# Altium PCB GameBoard_V1I1.PcbDoc (part 5 of 22)
Units mil, origin at the board's own origin, x right, y up, seen from the top; angles counter-clockwise.
Board outline 7165.35 x 2814.96 mil, 12 copper layers (L1, L2, L3, L4, L5 (PWR), L6 (PWR), L7 (PWR), L8 (PWR), L9, L10, L11, L12), stack 61.575 mil thick; 1551 components, 1072 nets, 5467 pads, 3785 vias.
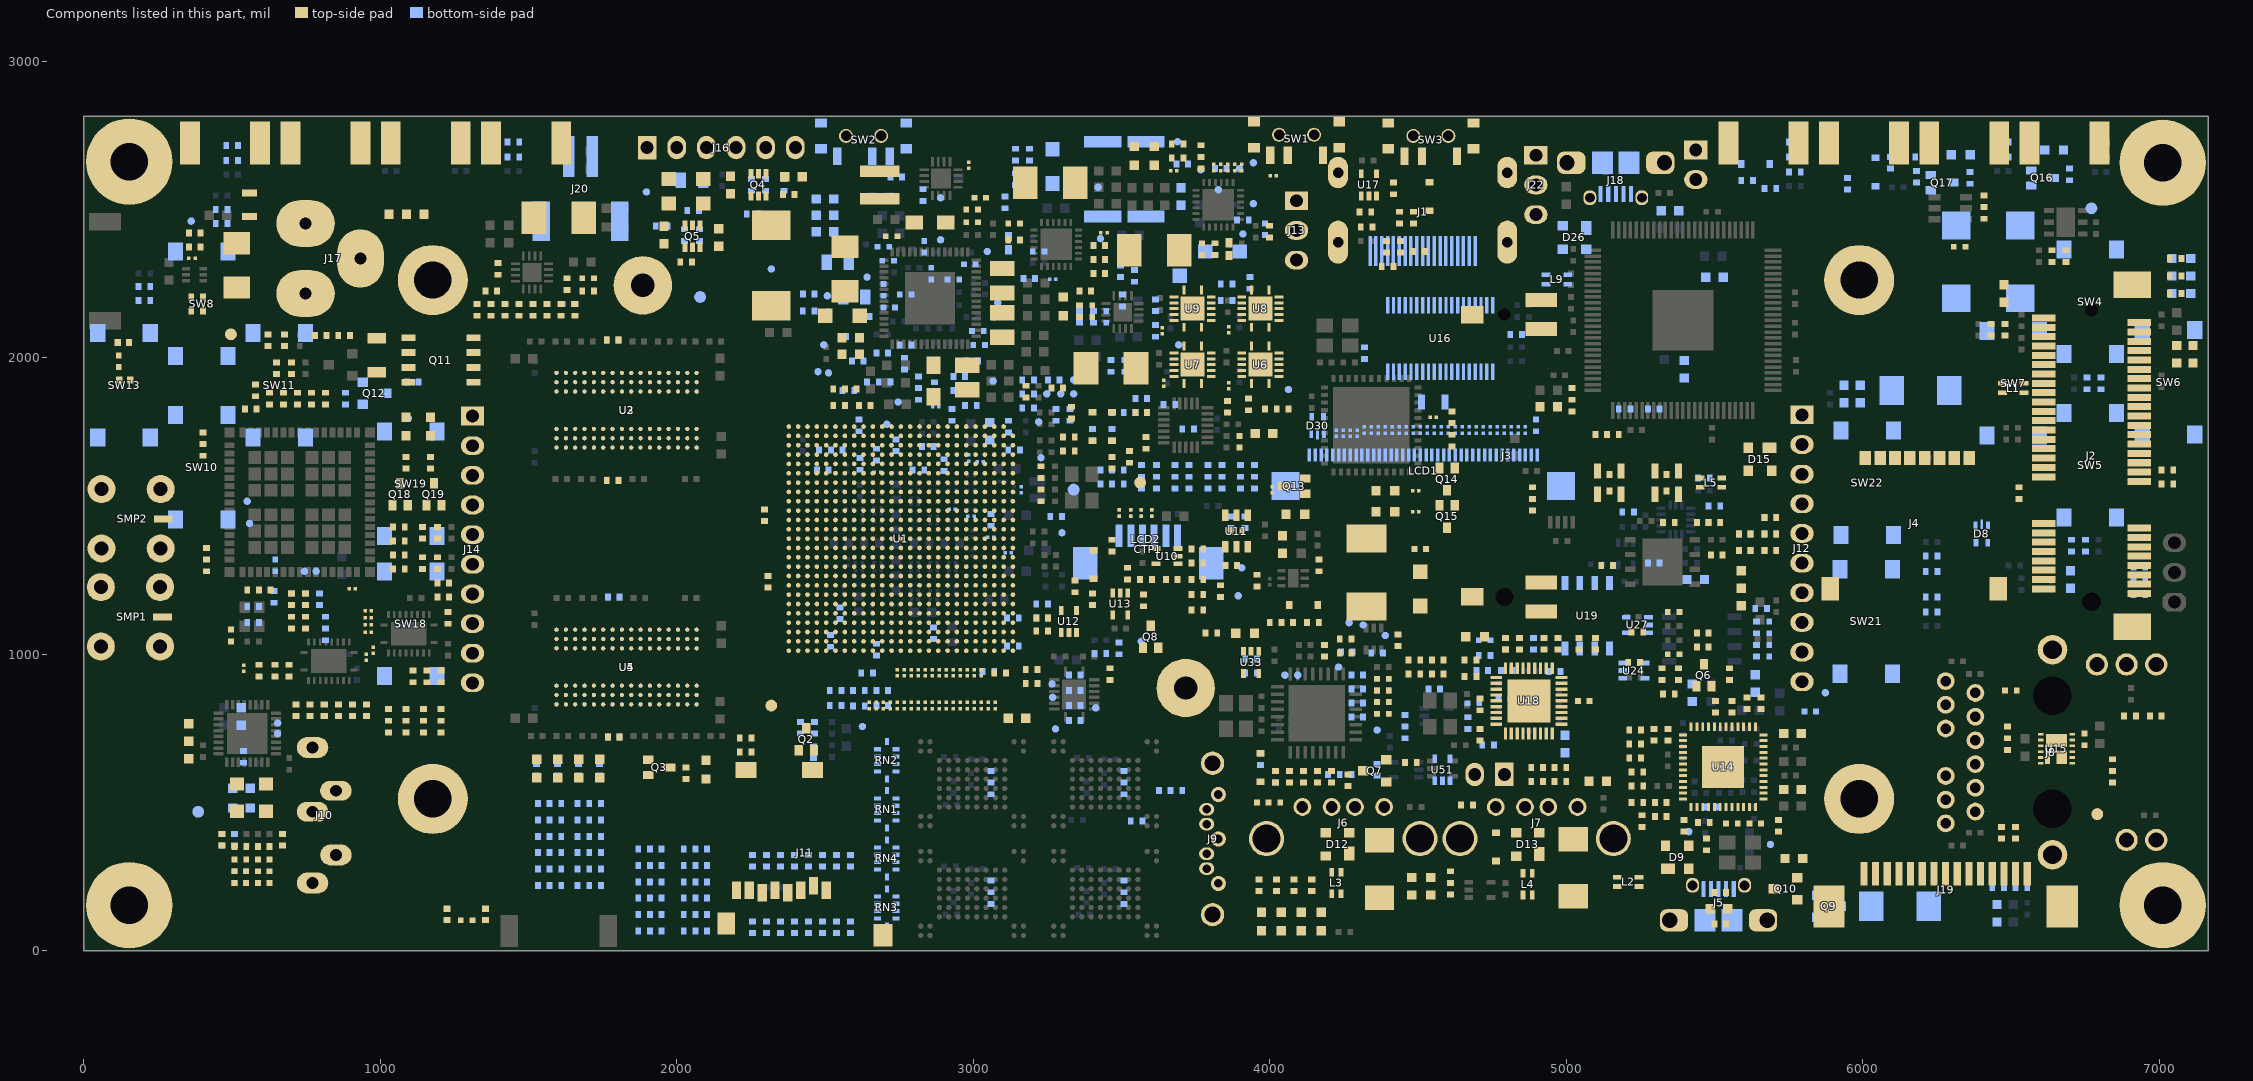
[diagram p15: the components of this part, seen from the top]

## Part data (continued)
C152: library part C0603X5R1C103K030BA, "CAP CER .01UF 16V 10% X5R 0201", Capacitance=10000pF, Manufacturer="TDK Corporation", Operating Temperature="-55°C ~ 85°C", Package / Case="0201 (0603 Metric)", Ratings=-, Supplier Part Number 1=445-16166-1-ND, Temperature Coefficient=X5R, Tolerance=±10%, Voltage - Rated=16V, .Checked PCB=used, .Checked SCH=used, .Creator=MM, Applications="General Purpose", Category=Capacitors, ComponentLink1Description=http://product.tdk.com/en/catalog/datasheets/mlcc_commercial_general_en.pdf, ComponentLink1URL=http://product.tdk.com/en/catalog/datasheets/mlcc_commercial_general_en.pdf, Features=-, Height - Seated (Max)=-, Lead Spacing=-, Lead Style=-, Manufacturer Part Number=C0603X5R1C103K030BA, Mounting Type="Surface Mount, MLCC", Packaging="Cut Tape (CT)", Pricing 1="1=0.1, 10=0.043, 100=0.0196, 250=0.01608, 500=0.01374, 1000=0.0105, 5000=0.00875 (USD)", RoHS="RoHS Compliant", Size / Dimension="0.024\" L x 0.012\" W (0.60mm x 0.30mm)", Stock 1=24793, Supplier 1=Digi-Key, Supplier 2=Digi-Key, Supplier Part Number 2=490-7194-1-ND, Thickness (Max)="0.013\" (0.33mm)"
C188 C189 C333 C334 C335 C336 C341 C348: library part C1005C0G1H220J, "CAP CER 22PF 50V C0G 5% 0402", Manufacturer="TDK Corporation", Operating Temperature="-55°C ~ 125°C", Package / Case="0402 (1005 Metric)", Ratings=-, Supplier Part Number=445-1239-1-ND, Temperature Coefficient="C0G, NP0", Tolerance=±5%, Voltage - Rated=50V, .Checked PCB=used, .Checked SCH=used, Applications="General Purpose", Capacitance=22pF, Category=Capacitors, ComponentLink1Description=http://www.tdk.co.jp/tefe02/e412_c.pdf, ComponentLink1URL=http://www.tdk.co.jp/tefe02/e412_c.pdf, Features=-, Height - Seated (Max)=-, Lead Spacing=-, Lead Style=-, Manufacturer Part Number=C1005C0G1H220J, Mounting Type="Surface Mount, MLCC", Packaging="Cut Tape (CT)", Price 1k [$]=0.00442, Pricing 1="1=0.08, 10=0.05, 100=0.018, 250=0.013, 500=0.0096, 1000=0.0065 (USD)", RoHS="RoHS Compliant", Size / Dimension="0.039\" L x 0.020\" W (1.00mm x 0.50mm)", Stock 1=176261, Supplier=Digikey, Supplier 1=Digi-Key, Supplier Part Number 1=445-1239-1-ND, Thickness (Max)="0.022\" (0.55mm)"
C192: library part GRM1555C1H561JA01D, "CAP CER 560PF 50V C0G 0402", Manufacturer="Murata Electronics North America", Operating Temperature="-55°C ~ 125°C", Package / Case="0402 (1005 Metric)", Ratings=-, Supplier Part Number=490-3238-1-ND, Temperature Coefficient="C0G, NP0", Tolerance=±5%, Voltage - Rated=50V, .Checked PCB=used, .Checked SCH=used, Applications="General Purpose", Capacitance=560pF, Category=Capacitors, ComponentLink1Description=http://search.murata.co.jp/Ceramy/image/img/PDF/ENG/GRM1555C1H561JA01.pdf, ComponentLink1URL=http://search.murata.co.jp/Ceramy/image/img/PDF/ENG/GRM1555C1H561JA01.pdf, Features=-, Height - Seated (Max)=-, Lead Spacing=-, Lead Style=-, Manufacturer Part Number=GRM1555C1H561JA01D, Mounting Type="Surface Mount, MLCC", Packaging="Cut Tape (CT)", Price 1k [$]=0.0149, Pricing 1="10=0.066, 50=0.0528, 100=0.0396, 250=0.0286, 500=0.02112, 1000=0.0143, 5000=0.011 (USD)", RoHS="RoHS Compliant", Size / Dimension="0.039\" L x 0.020\" W (1.00mm x 0.50mm)", Stock 1=301161, Supplier=Digikey, Supplier 1=Digi-Key, Supplier 2=Digi-Key, Supplier Part Number 1=490-3238-1-ND, Supplier Part Number 2=1276-1709-1-ND, Thickness (Max)="0.022\" (0.55mm)"
C224 C225: library part T520D337M006ATE045, "CAP TANT 330UF 6.3V 20% 2917", Capacitance=330µF, ESR (Equivalent Series Resistance)="45 mOhm", Lifetime @ Temp.=-, Manufacturer=Kemet, Manufacturer Size Code=D, Operating Temperature="-55°C ~ 105°C", Package / Case="2917 (7343 Metric)", Supplier Part Number 1=399-4055-1-ND, Tolerance=±20%, Voltage - Rated=6.3V, .Checked PCB=used, .Checked SCH=used, .Creator=MM, Category=Capacitors, ComponentLink1Description=http://www.kemet.com/kemet/web/homepage/kechome.nsf/file/T520%20Series/$file/KEM_T2015_T520.pdf, ComponentLink1URL=http://www.kemet.com/kemet/web/homepage/kechome.nsf/file/T520%20Series/$file/KEM_T2015_T520.pdf, Features=Polymer, Height - Seated (Max)="0.122\" (3.10mm)", Lead Spacing=-, Manufacturer Part Number=T520D337M006ATE045, Mounting Type="Surface Mount", Packaging="Cut Tape (CT)", Pricing 1="1=1.33, 10=1.05, 50=0.91, 100=0.7875, 250=0.7 (USD)", RoHS="RoHS Compliant", Size / Dimension="0.287\" L x 0.169\" W (7.30mm x 4.30mm)", Stock 1=11758, Supplier 1=Digi-Key, Type=Molded
C242 C254 C255 C260 C281 C303 C311 C313 C361 C362 C416 C417 C420 C424 C425 C469 C471 C473 C482 C491 C527: library part C1005X5R1C105K, "CAP CER 1.0UF 16V X5R 0402", Capacitance=1.0µF, Manufacturer="TDK Corporation", Operating Temperature="-55°C ~ 85°C", Package / Case="0402 (1005 Metric)", Ratings=-, Supplier Part Number=445-4978-1-ND, Temperature Coefficient=X5R, Tolerance=±10%, Voltage - Rated=16V, .Checked PCB=used, .Checked SCH=used, Applications="General Purpose", Category=Capacitors, ComponentLink1Description=http://www.tdk.co.jp/tefe02/e412_c.pdf, ComponentLink1URL=http://www.tdk.co.jp/tefe02/e412_c.pdf, Features=-, Height - Seated (Max)=-, Lead Spacing=-, Lead Style=-, Manufacturer Part Number=C1005X5R1C105K, Mounting Type="Surface Mount, MLCC", Packaging="Cut Tape (CT)", Price 1k [$]=0.02080, Pricing 1="1=0.24, 10=0.16, 100=0.064, 250=0.046, 500=0.0328, 1000=0.024 (USD)", RoHS="RoHS Compliant", Size / Dimension="0.039\" L x 0.020\" W (1.00mm x 0.50mm)", Stock 1=341010, Supplier=Digikey, Supplier 1=Digi-Key, Supplier 2=Digi-Key, Supplier Part Number 1=445-4978-1-ND, Supplier Part Number 2=445-13181-1-ND, Thickness (Max)="0.022\" (0.55mm)"
C243 C244 C297 C357: library part TPSC107K010R0150, "CAP TANT 100UF 10V 10% 2312", Capacitance=100µF, ESR (Equivalent Series Resistance)="150 mOhm", Lifetime @ Temp.=-, Manufacturer="AVX Corporation", Manufacturer Size Code=C, Operating Temperature="-55°C ~ 125°C", Package / Case="2312 (6032 Metric)", Supplier Part Number 1=478-7995-1-ND, Tolerance=±10%, Voltage - Rated=10V, .Checked PCB=used, .Checked SCH=used, .Creator=MM, Category=Capacitors, ComponentLink1Description=http://www.avx.com/docs/Catalogs/tps.pdf, ComponentLink1URL=http://www.avx.com/docs/Catalogs/tps.pdf, Features="General Purpose", Height - Seated (Max)="0.110\" (2.80mm)", Lead Spacing=-, Manufacturer Part Number=TPSC107K010R0150, Mounting Type="Surface Mount", Packaging="Cut Tape (CT)", Pricing 1="1=1, 10=0.85, 100=0.4969, 250=0.4168 (USD)", RoHS="RoHS Compliant", Size / Dimension="0.236\" L x 0.126\" W (6.00mm x 3.20mm)", Stock 1=3211, Supplier 1=Digi-Key, Type=Molded
C272 C273: library part TLNS227M004R3000, "CAP TANT 220UF 4V 20% 1206", Capacitance=220µF, ESR (Equivalent Series Resistance)="3.000 Ohm", Lifetime @ Temp.=-, Manufacturer="AVX Corporation", Manufacturer Size Code=S, Operating Temperature="-55°C ~ 125°C", Package / Case="1206 (3216 Metric)", Supplier Part Number 1=478-5526-1-ND, Tolerance=±20%, Voltage - Rated=4V, .Checked PCB=used, .Checked SCH=used, Category=Capacitors, ComponentLink1Description=http://www.avx.com/docs/Catalogs/tlnunder.pdf, ComponentLink1URL=http://www.avx.com/docs/Catalogs/tlnunder.pdf, Features="General Purpose", Height - Seated (Max)="0.047\" (1.20mm)", Lead Spacing=-, Manufacturer Part Number=TLNS227M004R3000, Mounting Type="Surface Mount", Packaging="Cut Tape (CT)", Pricing 1="1=1.35, 10=1.128, 100=0.72, 250=0.6, 500=0.54, 1000=0.492 (USD)", RoHS="RoHS Compliant", Size / Dimension="0.126\" L x 0.063\" W (3.20mm x 1.60mm)", Stock 1=21393, Supplier 1=Digi-Key, Type=Molded
C277 C278 C283: library part GRM155R71H271KA01D, "CAP CER 270PF 50V 10% X7R 0402", Manufacturer="Murata Electronics North America", Operating Temperature="-55°C ~ 125°C", Package / Case="0402 (1005 Metric)", Ratings=-, Supplier Part Number 1=490-1299-1-ND, Temperature Coefficient=X7R, Tolerance=±10%, Voltage - Rated=50V, .Checked PCB=used, .Checked SCH=used, Applications="General Purpose", Capacitance=270pF, Category=Capacitors, ComponentLink1Description=http://search.murata.co.jp/Ceramy/image/img/PDF/ENG/GRM155R71H271KA01.pdf, ComponentLink1URL=http://search.murata.co.jp/Ceramy/image/img/PDF/ENG/GRM155R71H271KA01.pdf, Features=-, Height - Seated (Max)=-, Lead Spacing=-, Lead Style=-, Manufacturer Part Number=GRM155R71H271KA01D, Mounting Type="Surface Mount, MLCC", Packaging="Cut Tape (CT)", Pricing 1="10=0.032, 50=0.0252, 100=0.0189, 250=0.01364, 500=0.01008, 1000=0.00683, 5000=0.00525 (USD)", RoHS="RoHS Compliant", Size / Dimension="0.039\" L x 0.020\" W (1.00mm x 0.50mm)", Stock 1=83894, Supplier 1=Digi-Key, Supplier 2=Digi-Key, Supplier Part Number 2=399-7784-1-ND, Thickness (Max)="0.022\" (0.55mm)"
C279 C280 C306 C309: library part C1005C0G1H101J, "CAP CER 100PF 50V 5% NP0 0402", Manufacturer="TDK Corporation", Operating Temperature="-55°C ~ 125°C", Package / Case="0402 (1005 Metric)", Ratings=-, Supplier Part Number 1=490-7311-1-ND, Temperature Coefficient="C0G, NP0", Tolerance=±5%, Voltage - Rated=50V, .Checked PCB=used, .Checked SCH=used, Applications="General Purpose", Capacitance=100pF, Category=Capacitors, ComponentLink1Description=http://www.tdk.com/pdf/general_B11.pdf, ComponentLink1URL=http://www.tdk.com/pdf/general_B11.pdf, Features=-, Height - Seated (Max)=-, Lead Spacing=-, Lead Style=-, Manufacturer Part Number=C1005C0G1H101J, Mounting Type="Surface Mount, MLCC", Packaging="Cut Tape (CT)", RoHS="RoHS Compliant", Size / Dimension="0.039\" L x 0.020\" W (1.00mm x 0.50mm)", Supplier 1=Digi-Key, Supplier 2=Digi-Key, Supplier Part Number 2=399-15922-1-ND, Thickness (Max)="0.022\" (0.55mm)"
C299 C456 C470: library part C2012X5R1C106M, "CAP CER 10UF 16V 20% X5R 0805", Capacitance=10µF, Manufacturer="TDK Corporation", Manufacturer Part Number=C2012X5R1C106M/1.25, Operating Temperature="-55°C ~ 85°C", Package / Case="0805 (2012 Metric)", Ratings=-, Supplier Part Number 1=445-5984-1-ND, Temperature Coefficient=X5R, Tolerance=±20%, Voltage - Rated=16V, .Checked PCB=used, .Checked SCH=used, Applications="General Purpose", Category=Capacitors, ComponentLink1Description=http://www.tdk.com/pdf/general_B11.pdf, ComponentLink1URL=http://www.tdk.com/pdf/general_B11.pdf, Features=-, Height - Seated (Max)=-, Lead Spacing=-, Lead Style=-, Mounting Type="Surface Mount, MLCC", Packaging="Cut Tape (CT)", RoHS="RoHS Compliant", Size / Dimension="0.079\" L x 0.049\" W (2.00mm x 1.25mm)", Supplier 1=Digi-Key, Supplier 2=Digi-Key, Supplier Part Number 2=478-10492-1-ND, Thickness (Max)="0.039\" (1.00mm)"
C342 C349: library part C1005X7R1H221K, "CAP CER 220PF 50V X7R 10% 0402", Manufacturer="TDK Corporation", Operating Temperature="-55°C ~ 125°C", Package / Case="0402 (1005 Metric)", Ratings=-, Supplier Part Number=445-1254-1-ND, Temperature Coefficient=X7R, Tolerance=±10%, Voltage - Rated=50V, .Checked PCB=used, .Checked SCH=used, Applications="General Purpose", Capacitance=220pF, Category=Capacitors, ComponentLink1Description=http://www.tdk.co.jp/tefe02/e412_c.pdf, ComponentLink1URL=http://www.tdk.co.jp/tefe02/e412_c.pdf, Features=-, Height - Seated (Max)=-, Lead Spacing=-, Lead Style=-, Manufacturer Part Number=C1005X7R1H221K, Mounting Type="Surface Mount, MLCC", Packaging="Cut Tape (CT)", Price 1k [$]=0.00650, Pricing 1="1=0.08, 10=0.05, 100=0.018, 250=0.013, 500=0.0096, 1000=0.0065 (USD)", RoHS="RoHS Compliant", Size / Dimension="0.039\" L x 0.020\" W (1.00mm x 0.50mm)", Stock 1=212041, Supplier=Digikey, Supplier 1=Digi-Key, Supplier 2=Digi-Key, Supplier Part Number 1=445-1254-1-ND, Supplier Part Number 2=399-14273-1-ND, Thickness (Max)="0.022\" (0.55mm)"
C351 C522: library part C0603X5R1C104K030BC, "CAP CER 0.1UF 16V 10% X5R 0201", Capacitance=0.1µF, Manufacturer="TDK Corporation", Operating Temperature="-55°C ~ 85°C", Package / Case="0201 (0603 Metric)", Ratings=-, Supplier Part Number 1=445-7313-1-ND, Temperature Coefficient=X5R, Tolerance=±10%, Voltage - Rated=16V, .Checked PCB=used, .Checked SCH=used, .Creator=MM, Applications="General Purpose", Category=Capacitors, ComponentLink1Description=http://product.tdk.com/en/catalog/datasheets/mlcc_commercial_general_en.pdf, ComponentLink1URL=http://product.tdk.com/en/catalog/datasheets/mlcc_commercial_general_en.pdf, Features=-, Height - Seated (Max)=-, Lead Spacing=-, Lead Style=-, Manufacturer Part Number=C0603X5R1C104K030BC, Mounting Type="Surface Mount, MLCC", Packaging="Cut Tape (CT)", Pricing 1="1=0.1, 10=0.046, 100=0.0209, 250=0.01712, 500=0.01464, 1000=0.0114, 5000=0.0095 (USD)", RoHS="RoHS Compliant", Size / Dimension="0.024\" L x 0.012\" W (0.60mm x 0.30mm)", Stock 1=19491, Supplier 1=Digi-Key, Supplier 2=Digi-Key, Supplier Part Number 2=1276-1319-1-ND, Thickness (Max)="0.013\" (0.33mm)"
C352 C353 C354 C459 C460 C478: library part C1608X5R1A226M080AC, "CAP CER 22UF 10V X5R 0603", Capacitance=22µF, Manufacturer="TDK Corporation", Operating Temperature="-55°C ~ 85°C", Package / Case="0603 (1608 Metric)", Ratings=-, Supplier Part Number 1=445-9077-1-ND, Temperature Coefficient=X5R, Tolerance=±20%, Voltage - Rated=10V, .Checked PCB=used, .Checked SCH=used, .Creator=MM, Applications="General Purpose", Category=Capacitors, ComponentLink1Description=http://product.tdk.com/en/catalog/datasheets/mlcc_commercial_general_en.pdf, ComponentLink1URL=http://product.tdk.com/en/catalog/datasheets/mlcc_commercial_general_en.pdf, Features=-, Height - Seated (Max)=-, Lead Spacing=-, Lead Style=-, Manufacturer Part Number=C1608X5R1A226M080AC, Mounting Type="Surface Mount, MLCC", Packaging="Cut Tape (CT)", Pricing 1="1=0.49, 10=0.469, 100=0.2275, 250=0.189, 500=0.1715, 1000=0.1575 (USD)", RoHS="RoHS Compliant", Size / Dimension="0.063\" L x 0.031\" W (1.60mm x 0.80mm)", Stock 1=405620, Supplier 1=Digi-Key, Supplier 2=Digi-Key, Supplier Part Number 2=1276-1274-1-ND, Thickness (Max)="0.035\" (0.90mm)"
C356: library part CL05B332JA5NNNC, "CAP CER 3300PF 25V X7R 0402", Manufacturer="Samsung Electro-Mechanics", Operating Temperature="-55°C ~ 125°C", Package / Case="0402 (1005 Metric)", Ratings=-, Supplier Part Number 1=1276-1547-1-ND, Temperature Coefficient=X7R, Tolerance=±5%, Voltage - Rated=25V, .Creator=MB, Applications="General Purpose", Category=Capacitors, ComponentLink1Description=https://media.digikey.com/pdf/Data%20Sheets/Samsung%20PDFs/CL05B105KQ5NQNC_Spec.pdf, ComponentLink1URL=https://media.digikey.com/pdf/Data%20Sheets/Samsung%20PDFs/CL05B105KQ5NQNC_Spec.pdf, Features=-, Height - Seated (Max)=-, Lead Spacing=-, Lead Style=-, Manufacturer Part Number=CL05B332JA5NNNC, Mounting Type="Surface Mount, MLCC", Notification="Current market demand for these product types have resulted in fluctuating and extending lead times. Lead times may differ.", Packaging="Cut Tape (CT)", Part Status=Active, Pricing 1="1=0.1, 10=0.064, 100=0.0285, 500=0.02034, 1000=0.01598, 2500=0.01453, 5000=0.01337 (USD)", RoHS="RoHS Compliant", Size / Dimension="0.039\" L x 0.020\" W (1.00mm x 0.50mm)", Stock 1=78906, Supplier 1=Digi-Key, Thickness (Max)="0.022\" (0.55mm)"
C418 C421 C423 C427 C468: library part C1005X5R1A225K, "CAP CER 2.2UF 10V 10% X5R 0402", Capacitance=2.2µF, Manufacturer="TDK Corporation", Operating Temperature="-55°C ~ 85°C", Package / Case="0402 (1005 Metric)", Ratings=-, Supplier Part Number 1=445-7392-1-ND, Temperature Coefficient=X5R, Tolerance=±10%, Voltage - Rated=10V, .Checked PCB=used, .Checked SCH=used, Applications="General Purpose", Category=Capacitors, ComponentLink1Description=http://www.tdk.com/pdf/general_B11.pdf, ComponentLink1URL=http://www.tdk.com/pdf/general_B11.pdf, Features=-, Height - Seated (Max)=-, Lead Spacing=-, Lead Style=-, Manufacturer Part Number=C1005X5R1A225K, Mounting Type="Surface Mount, MLCC", Packaging="Cut Tape (CT)", Pricing 1="1=0.42, 10=0.332, 100=0.2, 250=0.15, 500=0.128, 1000=0.1 (USD)", RoHS="RoHS Compliant", Size / Dimension="0.039\" L x 0.020\" W (1.00mm x 0.50mm)", Stock 1=22891, Supplier 1=Digi-Key, Supplier 2=Digi-Key, Supplier Part Number 2=445-9090-1-ND, Thickness (Max)="0.022\" (0.55mm)"
C430: library part C1005X5R1C474K, "CAP CER .47UF 16V X5R 0402", Capacitance=0.47µF, Manufacturer="TDK Corporation", Operating Temperature="-55°C ~ 85°C", Package / Case="0402 (1005 Metric)", Ratings=-, Supplier Part Number=445-4976-1-ND, Temperature Coefficient=X5R, Tolerance=±10%, Voltage - Rated=16V, .Checked PCB=used, .Checked SCH=used, Applications="General Purpose", Category=Capacitors, ComponentLink1Description=http://www.tdk.co.jp/tefe02/e412_c.pdf, ComponentLink1URL=http://www.tdk.co.jp/tefe02/e412_c.pdf, Features=-, Height - Seated (Max)=-, Lead Spacing=-, Lead Style=-, Manufacturer Part Number=C1005X5R1C474K, Mounting Type="Surface Mount, MLCC", Packaging="Cut Tape (CT)", Price 1k [$]=0.02400, Pricing 1="1=0.24, 10=0.16, 100=0.064, 250=0.046, 500=0.0328, 1000=0.024 (USD)", RoHS="RoHS Compliant", Size / Dimension="0.039\" L x 0.020\" W (1.00mm x 0.50mm)", Stock 1=141502, Supplier=Digikey, Supplier 1=Digi-Key, Supplier 2=Digi-Key, Supplier Part Number 1=445-4976-1-ND, Supplier Part Number 2=1276-1173-6-ND, Thickness (Max)="0.022\" (0.55mm)"
C480 C492: library part GRM155R71E473KA88D, "CAP CER 0.047UF 25V X7R 0402", Manufacturer="Murata Electronics North America", Operating Temperature="-55°C ~ 125°C", Package / Case="0402 (1005 Metric)", Ratings=-, Supplier Part Number 1=490-3254-1-ND, Temperature Coefficient=X7R, Tolerance=±10%, Voltage - Rated=25V, .Creator=MB, Applications="General Purpose", Category=Capacitors, ComponentLink1Description=https://www.murata.com/~/media/webrenewal/support/library/catalog/products/capacitor/mlcc/c02e.ashx, ComponentLink1URL=https://www.murata.com/~/media/webrenewal/support/library/catalog/products/capacitor/mlcc/c02e.ashx, Features=-, Height - Seated (Max)=-, Lead Spacing=-, Lead Style=-, Manufacturer Part Number=GRM155R71E473KA88D, Mounting Type="Surface Mount, MLCC", Notification="Current market demand for these product types have resulted in fluctuating and extending lead times. Lead times may differ.", Packaging="Cut Tape (CT)", Part Status=Active, Pricing 1="1=0.1, 10=0.024, 100=0.0109, 500=0.00778, 1000=0.00611, 2500=0.00556, 5000=0.00511 (USD)", RoHS="RoHS Compliant", Size / Dimension="0.039\" L x 0.020\" W (1.00mm x 0.50mm)", Stock 1=1130803, Supplier 1=Digi-Key, Supplier 2=Digi-Key, Supplier Part Number 2=399-15998-6-ND, Thickness (Max)="0.022\" (0.55mm)"
C526: library part GRM0335C1H6R8BA01D, "CAP CER 6.8pF 0201 50volts C0G +/-0.1pF", Case/Package=0201, Case Code (Metric)=0603, Dielectric=C0G, Manufacturer=Murata, Max Operating Temperature=125°C, Min Operating Temperature=-55°C, Package Quantity=15000, Supplier Part Number 1=490-17817-1-ND, Voltage Rating=50V, .Creator=MB, Capacitance=6.8pF, Case Code (Imperial)=0201, ComponentLink1Description=https://datasheet.ciiva.com/29538/partnumbering-e-01-29538455.pdf, ComponentLink1URL=https://datasheet.ciiva.com/29538/partnumbering-e-01-29538455.pdf, Height=0.3mm, Length=0.024inch, Manufacturer Part Number=GRM0335C1H6R8BA01D, Mount="Surface Mount", Packaging="Tape and Reel", Pricing 1="1=0.1, 10=0.021, 100=0.0092, 500=0.00656, 1000=0.00516, 2500=0.00469, 5000=0.00431 (USD)", Stock 1=29500, Supplier 1=Digi-Key, Termination=SMD/SMT, Thickness=0.013inch, Voltage Rating (DC)=50V, Width=0.3mm
C533: library part GJM1555C1H1R0BB01D, "CAP CER 1pF 50V C0G 0.1pF SMD 0402 125C T/R", Case/Package=0402, Case Code (Metric)=1005, Dielectric=C0G, Manufacturer=Murata, Max Operating Temperature=125°C, Min Operating Temperature=-55°C, Package Quantity=10000, Supplier Part Number 1=490-6073-1-ND, Temperature Coefficient=30ppm/°C, Voltage=50V, .Creator=MB, Capacitance=1pF, Case Code (Imperial)=0402, ComponentLink1Description=https://datasheet.ciiva.com/2989/product-2989251.pdf, ComponentLink1URL=https://datasheet.ciiva.com/2989/product-2989251.pdf, ComponentLink2Description=https://datasheet.ciiva.com/8030/1700185-8030099.pdf, ComponentLink2URL=https://datasheet.ciiva.com/8030/1700185-8030099.pdf, ComponentLink3Description=https://datasheet.ciiva.com/6270/partnumbering-e-01-6270536.pdf, ComponentLink3URL=https://datasheet.ciiva.com/6270/partnumbering-e-01-6270536.pdf, ComponentLink4Description=https://datasheet.ciiva.com/18183/getdatasheetpartid-153061-18183816.pdf, ComponentLink4URL=https://datasheet.ciiva.com/18183/getdatasheetpartid-153061-18183816.pdf, ComponentLink5Description=https://datasheet.ciiva.com/6270/partnumbering-e-01-6270537.pdf, ComponentLink5URL=https://datasheet.ciiva.com/6270/partnumbering-e-01-6270537.pdf, ComponentLink6Description=https://datasheet.ciiva.com/6270/partnumbering-e-01-6270538.pdf, ComponentLink6URL=https://datasheet.ciiva.com/6270/partnumbering-e-01-6270538.pdf, ComponentLink7Description=https://datasheet.ciiva.com/11789/0900766b80ef921d-11789098.pdf, ComponentLink7URL=https://datasheet.ciiva.com/11789/0900766b80ef921d-11789098.pdf, Depth=0.5mm, Height=0.5mm, Lead Free="Lead Free", Lead Pitch=0.3mm, Length=1mm, Manufacturer Part Number=GJM1555C1H1R0BB01D, Mount="Surface Mount", Number of Pins=2, Packaging="Tape and Reel", Pricing 1="1=0.17, 10=0.122, 100=0.0572, 500=0.04012, 1000=0.03322, 2500=0.03092, 5000=0.02829 (USD)", Radiation Hardening=No, REACH SVHC="No SVHC", Stock 1=8519, Supplier 1=Digi-Key, Termination=SMD/SMT, Thickness=0.022inch, Voltage Rating=50V, Voltage Rating (DC)=50V, Width=0.02inch
C534: library part GJM1555C1H2R4BB01D, "CAP CER 2.4pF 0402 50Volts C0G +/-0.1pF", Case/Package=0402, Case Code (Metric)=1005, Dielectric=C0G, Manufacturer=Murata, Max Operating Temperature=125°C, Min Operating Temperature=-55°C, Package Quantity=1, Supplier Part Number 1=490-8093-1-ND, Voltage=50V, .Creator=MB, Capacitance=2.4pF, Case Code (Imperial)=0402, ComponentLink1Description=https://datasheet.ciiva.com/29541/partnumbering-e-01-29541979.pdf, ComponentLink1URL=https://datasheet.ciiva.com/29541/partnumbering-e-01-29541979.pdf, ComponentLink2Description=https://datasheet.ciiva.com/29541/partnumbering-e-01-29541980.pdf, ComponentLink2URL=https://datasheet.ciiva.com/29541/partnumbering-e-01-29541980.pdf, ComponentLink3Description=https://datasheet.ciiva.com/29541/partnumbering-e-01-29541981.pdf, ComponentLink3URL=https://datasheet.ciiva.com/29541/partnumbering-e-01-29541981.pdf, Depth=0.5mm, Height=0.5mm, Lead Free="Lead Free", Length=1mm, Manufacturer Part Number=GJM1555C1H2R4BB01D, Mount="Surface Mount", Packaging="Tape and Reel", Pricing 1="1=0.19, 10=0.13, 100=0.0659, 500=0.04508, 1000=0.03987, 2500=0.03814, 5000=0.03467 (USD)", Radiation Hardening=No, Stock 1=81966, Supplier 1=Digi-Key, Termination=SMD/SMT, Thickness=0.022inch, Voltage Rating=50V, Voltage Rating (DC)=50V, Width=0.02inch
CR1: library part Card_Mini_PCIe, "Card MIni PCIe", .Checked PCB=used, .Checked SCH=used, .Creator=MM, Category=Card
CR2: library part Card_Micro_SIM, "Card Micro SIM", .Checked PCB=used, .Checked SCH=used, .Creator=MM, Category=Card
CR3: library part Card_Micro_SD, "Card Micro SD", .Checked PCB=used, .Checked SCH=used, .Creator=MM, Category=Card
CTP1: "CONN FPC TOP 6POS 1.00MM R/A", Contact Resistance=30mR, Current Rating=500mA, Flammability Rating="UL94 V-0", Housing Colour=Natural, Manufacturer=Molex, Max Operating Temperature=85°C, Min Operating Temperature=-20°C, Package Quantity=1, Supplier Part Number 1=WM4880DKR-ND, Voltage Rating=50V, .Creator=MB, ComponentLink1Description=https://datasheet.ciiva.com/671/527930670-sd-671124.pdf, ComponentLink1URL=https://datasheet.ciiva.com/671/527930670-sd-671124.pdf, ComponentLink2Description=https://datasheet.ciiva.com/671/527930670-sd-671126.pdf, ComponentLink2URL=https://datasheet.ciiva.com/671/527930670-sd-671126.pdf, ComponentLink3Description=https://datasheet.ciiva.com/3112/0527930670-ffc-fpc-connectors-3112203.pdf, ComponentLink3URL=https://datasheet.ciiva.com/3112/0527930670-ffc-fpc-connectors-3112203.pdf, ComponentLink4Description=https://datasheet.ciiva.com/3112/0527930670-ffc-fpc-connectors-3112204.pdf, ComponentLink4URL=https://datasheet.ciiva.com/3112/0527930670-ffc-fpc-connectors-3112204.pdf, Contact Material=Bronze, Contact Plating=Nickel,Tin, Depth=4.8mm, Housing Material=Polyphenylene, Length=12.3mm, Manufacturer Part Number=0527930670, Mount="Surface Mount", Number of Positions=6, Number of Rows=1, Orientation="Right Angle", Packaging="Tape and Reel", Pitch=0.039inch, Pricing 1="1=0.46, 10=0.439, 25=0.3764, 50=0.3198, 100=0.3072, 250=0.27588, 500=0.26334 (USD)", Radiation Hardening=No, Stock 1=15950, Supplier 1=Digi-Key, Termination=Solder, Wire/Cable Type=Straight
D1 D2 D3 D23 D25 D43 D44: "DIODE SCHTKY 30MA 30V SOD-323", Capacitance @ Vr, F="2pF @ 1V, 1MHz", Current - Average Rectified (Io)=30mA, Current - Reverse Leakage @ Vr="500nA @ 30V", Manufacturer="Micro Commercial Co", Package / Case="SC-76, SOD-323", Supplier Device Package=SOD-323, Supplier Part Number 1=RB751V-40-TPMSCT-ND, Voltage - DC Reverse (Vr) (Max)=30V, Voltage - Forward (Vf) (Max) @ If="370mV @ 1mA", .Checked PCB=used, .Checked SCH=used, Category="Discrete Semiconductor Products", ComponentLink1Description="Data Sheet", ComponentLink1URL=http://www.mccsemi.com/up_pdf/RB751V-40(SOD-323).PDF, Diode Type=Schottky, Manufacturer Part Number=RB751V-40-TP, Mounting Type="Surface Mount", Packaging="Cut Tape (CT)", Pricing 1="1=0.48, 10=0.342, 100=0.2014, 250=0.14252, 500=0.1216, 1000=0.095 (USD)", Reverse Recovery Time (trr)=-, RoHS="RoHS Compliant", Speed="Small Signal =< 200mA (Io), Any Speed", Stock 1=18964, Supplier 1=Digi-Key
D4: "DIODE SCHOTTKY 30V 0.2A SOD323", Capacitance @ Vr, F="10pF @ 1V, 1MHz", Current - Average Rectified (Io)=200mA, Current - Reverse Leakage @ Vr="2µA @ 25V", Manufacturer="Fairchild Semiconductor", Operating Temperature - Junction="-55°C ~ 150°C", Package / Case="SC-76, SOD-323", Supplier Device Package=SOD-323, Supplier Part Number 1=BAT54HT1GCT-ND, Thermal Resistance="600°C/W Ja", Voltage - DC Reverse (Vr) (Max)=30V, Voltage - Forward (Vf) (Max) @ If="800mV @ 100mA", .Checked PCB=used, .Checked SCH=used, .Creator=MM, Category="Discrete Semiconductor Products", ComponentLink1Description=http://www.fairchildsemi.com/ds/BA/BAT54HT1G.pdf, ComponentLink1URL=http://www.fairchildsemi.com/ds/BA/BAT54HT1G.pdf, Diode Type=Schottky, Manufacturer Part Number=BAT54HT1G, Mounting Type="Surface Mount", Packaging="Cut Tape (CT)", Pricing 1="1=0.3, 10=0.276, 25=0.1984, 100=0.1543, 250=0.09696, 500=0.0826, 1000=0.05628 (USD)", Reverse Recovery Time (trr)=5ns, RoHS="RoHS Compliant", Speed="Small Signal =< 200mA (Io), Any Speed", Stock 1=11388, Supplier 1=Digi-Key, Supplier 2=Digi-Key, Supplier Part Number 2=NSVBAT54HT1GOSCT-ND
D5 D6 D7 D29 D32 D41 D49 D50 D54: library part "LG L29K-G2J1-24-Z", "LED SMARTLED GREEN 570NM 0603", Current - Limit (Min)=600mA, Current - Output=500mA, Current - Test=2mA, Luminous Flux @ Current - Test="12 mlm", Manufacturer="OSRAM Opto Semiconductors Inc", Millicandela Rating=3.92mcd, Operating Temperature="-40°C ~ 125°C", Package / Case="0603 (1608 Metric)", Supplier Device Package="6-TMLF® (1.6x1.6)", Supplier Part Number=475-2709-1-ND, Voltage - Dropout (Typical)="0.16V @ 500mA", Voltage - Forward (Vf) Typ=1.7V, Voltage - Input="2.6 V ~ 6 V", Voltage - Output=2.5V, .Checked PCB=used, .Checked SCH=used, Category=Optoelectronics, Color=Green, ComponentLink1Description=http://catalog.osram-os.com/catalogue/catalogue.do;jsessionid=32CB61882C089EDD4B6D0A54E7E1F117?act=downloadFile&favOid=020000020000138e000100b6, ComponentLink1URL=http://catalog.osram-os.com/catalogue/catalogue.do;jsessionid=32CB61882C089EDD4B6D0A54E7E1F117?act=downloadFile&favOid=020000020000138e000100b6, ComponentLink2Description=http://www.micrel.com/_PDF/mic5353.pdf, ComponentLink2URL=http://www.micrel.com/_PDF/mic5353.pdf, Family="LEDs - <75mA, Discre", Height=0.65mm, Lens Style/Size="Rectangle with Flat Top, 1.3mm x 0.8mm", Lens Type=Diffused, Manufacturer Part Number="LG L29K-G2J1-24-Z", Mounting Type="Surface Mount", Number of Regulators=1, Packaging="Cut Tape (CT)", Price 1k [$]=0.08744, Pricing 1="1=0.16, 10=0.137, 100=0.1093, 250=0.09564, 500=0.08744 (USD)", Regulator Topology="Positive Fixed", RoHS="RoHS Compliant", Size / Dimension="1.70mm L x 0.80mm W", Stock 1=30318, Supplier=Digikey, Supplier 1=Digi-Key, Supplier Part Number 1=475-2709-1-ND, Viewing Angle=160°, Wavelength - Dominant=570nm, Wavelength - Peak=572nm
D8 D30: "TVS ZENER QUAD 5.6V SOT665", Manufacturer="NXP Semiconductors", Package / Case=SOT-665, Power (Watts)=16W, Supplier Part Number 1=1727-5529-1-ND, Voltage - Breakdown=5.32V, Voltage - Reverse Standoff (Typ)=3V, .Checked PCB=used, .Checked SCH=used, .Creator=MM, Category="Circuit Protection", ComponentLink1Description=http://www.nxp.com/documents/data_sheet/BZA900A_SERIES.pdf, ComponentLink1URL=http://www.nxp.com/documents/data_sheet/BZA900A_SERIES.pdf, Manufacturer Part Number=BZA956A,115, Mounting Type="Surface Mount", Packaging="Cut Tape (CT)", Polarization="4 Channel Array - Unidirectional", RoHS="RoHS Compliant", Supplier 1=Digi-Key, Supplier Device Package=SOT-665
D9 D12 D13 D15: "DIODE SWITCHING 50V SOT-143", Case/Package=SOT-143-4, Current - DC Forward (If)=140mA, Forward Voltage=1.3V, Manufacturer="Infineon Technologies", Max Operating Temperature=150°C, Max Power Dissipation=210mW, Max Repetitive Reverse Voltage (Vrrm)=70V, Min Operating Temperature=-65°C, Package / Case="TO-253-4, TO-253AA", Package Quantity=3000, Peak Reverse Current=100uA, Supplier Device Package=PG-SOT143-4, Supplier Part Number=BGX50AINCT-ND, Supplier Part Number 1=BGX50AE6327HTSA1DKR-ND, Voltage - Peak Reverse (Max)=50V, .Checked PCB=used, .Checked SCH=used, Category="Discrete Semiconductor Products", ComponentLink1Description=http://www.infineon.com/dgdl/bgx50aseries.pdf?folderId=db3a30431400ef6801141cc1c4cd04e8&fileId=db3a30431400ef6801141cc423c404e9, ComponentLink1URL=http://www.infineon.com/dgdl/bgx50aseries.pdf?folderId=db3a30431400ef6801141cc1c4cd04e8&fileId=db3a30431400ef6801141cc423c404e9, Contact Plating=Matte,Tin, Diode Type="Single Phase", Family="Bridge Rectifiers", Forward Current=140mA, Height=1mm, Length=2.9mm, Manufacturer Part Number=BGX50AE6327, Mount="Surface Mount", Mounting Type="Surface Mount", Number of Pins=4, Packaging="Cut Tape (CT)", Price 1k [$]=0.10013, Pricing 1="1=0.39, 10=0.294, 100=0.1829, 500=0.12514, 1000=0.09626 (USD)", Recovery Time=6ns, Reverse Recovery Time=6ns, Reverse Recovery Time (trr)=6ns, RoHS="RoHS Compliant", Speed="Small Signal =< 200mA (Io), Any Speed", Stock 1=0, Supplier=Digikey, Supplier 1=Digi-Key, Width=1.3mm
D10 D16 D17 D20 D21: "SUPPRESSOR ESD 24VDC 0603 SMD", Manufacturer="Littelfuse Inc", Package / Case="0603 (1608 Metric)", Power (Watts)=-, Supplier Part Number 1=F2594CT-ND, Voltage - Reverse Standoff (Typ)=24V, .Checked PCB=used, .Checked SCH=used, .Creator=MM, Category="Circuit Protection", ComponentLink1Description=http://www.littelfuse.com/data/en/Data_Sheets/Littelfuse_PulseGuard-ESD_PGB1.pdf, ComponentLink1URL=http://www.littelfuse.com/data/en/Data_Sheets/Littelfuse_PulseGuard-ESD_PGB1.pdf, Manufacturer Part Number=PGB1010603MR, Mounting Type="Surface Mount", Packaging="Cut Tape (CT)", Polarization=Bidirectional, Pricing 1="1=0.66, 10=0.556, 25=0.4872, 100=0.4172, 250=0.3618, 500=0.30646 (USD)", RoHS="RoHS Compliant", Stock 1=155406, Supplier 1=Digi-Key, Supplier Device Package="0603 (1608 Metric)", Voltage - Breakdown=-
D11 D14 D22 D42 D55: library part "LO L29K-H2K1-24-Z", "LED SMARTLED ORANGE 606NM 0603", Current - Test=2mA, Luminous Flux @ Current - Test="25 mlm", Manufacturer="OSRAM Opto Semiconductors Inc", Millicandela Rating=6.3mcd, Package / Case="0603 (1608 Metric)", Supplier Part Number 1=475-2740-1-ND, Voltage - Forward (Vf) Typ=1.8V, .Checked PCB=used, .Checked SCH=used, Category=Optoelectronics, Color=Orange, ComponentLink1Description=http://catalog.osram-os.com/catalogue/catalogue.do;jsessionid=302CF83AF637AE24E40AEB0ADA267EDD?act=downloadFile&favOid=020000010003f9de000100b6, ComponentLink1URL=http://catalog.osram-os.com/catalogue/catalogue.do;jsessionid=302CF83AF637AE24E40AEB0ADA267EDD?act=downloadFile&favOid=020000010003f9de000100b6, Height=0.65mm, Lens Style/Size="Rectangle with Flat Top, 1.3mm x 0.8mm", Lens Type=Diffused, Manufacturer Part Number="LO L29K-H2K1-24-Z", Mounting Type="Surface Mount", Packaging="Cut Tape (CT)", Pricing 1="1=0.17, 10=0.141, 100=0.1127, 250=0.0986, 500=0.09016 (USD)", RoHS="RoHS Compliant", Size / Dimension="1.70mm L x 0.80mm W", Stock 1=15900, Supplier 1=Digi-Key, Viewing Angle=160°, Wavelength - Dominant=606nm, Wavelength - Peak=610nm
D18 D19 D27 D45: "DIODE SCHOTTKY 40V 1A SOD123L", Capacitance @ Vr, F=-, Current - Average Rectified (Io)=1A, Current - Reverse Leakage @ Vr="500µA @ 40V", Manufacturer="ON Semiconductor", Operating Temperature - Junction="-55°C ~ 125°C", Package / Case=SOD-123F, Supplier Device Package=SOD-123L, Supplier Part Number 1=MBR140SFT1GOSCT-ND, Voltage - DC Reverse (Vr) (Max)=40V, Voltage - Forward (Vf) (Max) @ If="550mV @ 1A", .Checked PCB=used, .Checked SCH=used, .Creator=MM, Category="Discrete Semiconductor Products", ComponentLink1Description=http://www.onsemi.com/pub_link/Collateral/MBR140SFT1-D.PDF, ComponentLink1URL=http://www.onsemi.com/pub_link/Collateral/MBR140SFT1-D.PDF, Diode Type=Schottky, Manufacturer Part Number=MBR140SFT1G, Mounting Type="Surface Mount", Packaging="Cut Tape (CT)", Pricing 1="1=0.47, 10=0.333, 25=0.274, 100=0.2188, 250=0.1594, 500=0.12944, 1000=0.0995 (USD)", Reverse Recovery Time (trr)=-, RoHS="RoHS Compliant", Speed="Fast Recovery =< 500ns, > 200mA (Io)", Stock 1=9727, Supplier 1=Digi-Key
D24: "DIODE GEN PURP 1KV 8A SMC", Capacitance @ Vr, F="40pF @ 4V, 1MHz", Current - Average Rectified (Io)=8A, Current - Reverse Leakage @ Vr="10µA @ 1000V", Manufacturer="Diodes Incorporated", Operating Temperature - Junction="-65°C ~ 150°C", Package / Case="DO-214AB, SMC", Supplier Device Package=SMC, Supplier Part Number 1=S8MCDICT-ND, Voltage - DC Reverse (Vr) (Max)="1000V (1kV)", Voltage - Forward (Vf) (Max) @ If="985mV @ 8A", .Checked PCB=used, .Checked SCH=used, .Creator=MM, Category="Discrete Semiconductor Products", ComponentLink1Description=http://www.diodes.com/datasheets/ds31117.pdf, ComponentLink1URL=http://www.diodes.com/datasheets/ds31117.pdf, Diode Type=Standard, Manufacturer Part Number=S8MC-13, Mounting Type="Surface Mount", Packaging="Cut Tape (CT)", Pricing 1="1=0.66, 10=0.578, 25=0.5104, 100=0.4448, 250=0.3872, 500=0.3296, 1000=0.264 (USD)", Reverse Recovery Time (trr)=-, RoHS="RoHS Compliant", Speed="Standard Recovery >500ns, > 200mA (Io)", Stock 1=79939, Supplier 1=Digi-Key
D26: "DIODE SWITCHING 50V SOT-143", Current - DC Forward (If)=140mA, Manufacturer="Infineon Technologies", Package / Case="TO-253-4, TO-253AA", Supplier Device Package=PG-SOT143-4, Supplier Part Number=BGX50AINCT-ND, Voltage - Peak Reverse (Max)=50V, .Checked PCB=used, .Checked SCH=used, Category="Discrete Semiconductor Products", ComponentLink1Description=http://www.infineon.com/dgdl/bgx50aseries.pdf?folderId=db3a30431400ef6801141cc1c4cd04e8&fileId=db3a30431400ef6801141cc423c404e9, ComponentLink1URL=http://www.infineon.com/dgdl/bgx50aseries.pdf?folderId=db3a30431400ef6801141cc1c4cd04e8&fileId=db3a30431400ef6801141cc423c404e9, Diode Type="Single Phase", Family="Bridge Rectifiers", Manufacturer Part Number=BGX50AE6327, Mounting Type="Surface Mount", Packaging="Cut Tape (CT)", Price 1k [$]=0.10013, Pricing 1="1=0.47, 10=0.334, 100=0.2225, 500=0.12906, 1000=0.10013 (USD)", Reverse Recovery Time (trr)=6ns, RoHS="RoHS Compliant", Speed="Small Signal =< 200mA (Io), Any Speed", Stock 1=438, Supplier=Digikey, Supplier 1=Digi-Key, Supplier Part Number 1=BGX50AINCT-ND
D28: "DIODE GEN PURP 75V 150MA SOD323F", Base Part Number=1N4148, Capacitance @ Vr, F="4pF @ 0V, 1MHz", Current - Average Rectified (Io)=150mA, Manufacturer="ON Semiconductor", Operating Temperature - Junction="150°C (Max)", Package / Case="SC-90, SOD-323F", Supplier Device Package=SOD-323F, Supplier Part Number 1=1N4148WSFSCT-ND, .Creator=MB, Category="Discrete Semiconductor Products", ComponentLink1Description=https://www.fairchildsemi.com/datasheets/1N/1N4148WS.pdf, ComponentLink1URL=https://www.fairchildsemi.com/datasheets/1N/1N4148WS.pdf, Diode Type=Standard, Manufacturer Part Number=1N4148WS, Mounting Type="Surface Mount", Packaging="Cut Tape (CT)", Part Status=Active, RoHS="RoHS Compliant", Speed="Small Signal =< 200mA (Io), Any Speed", Supplier 1=Digi-Key